# Altium PCB PCB1.PcbDoc (part 2 of 2)
Units mil, origin at the board's own origin, x right, y up, seen from the top; angles counter-clockwise.
Board outline 4330.71 x 4330.71 mil, 3 copper layers (Top Layer, Mid-Layer 3, Bottom Layer); 149 components, 127 nets, 537 pads, 276 vias.
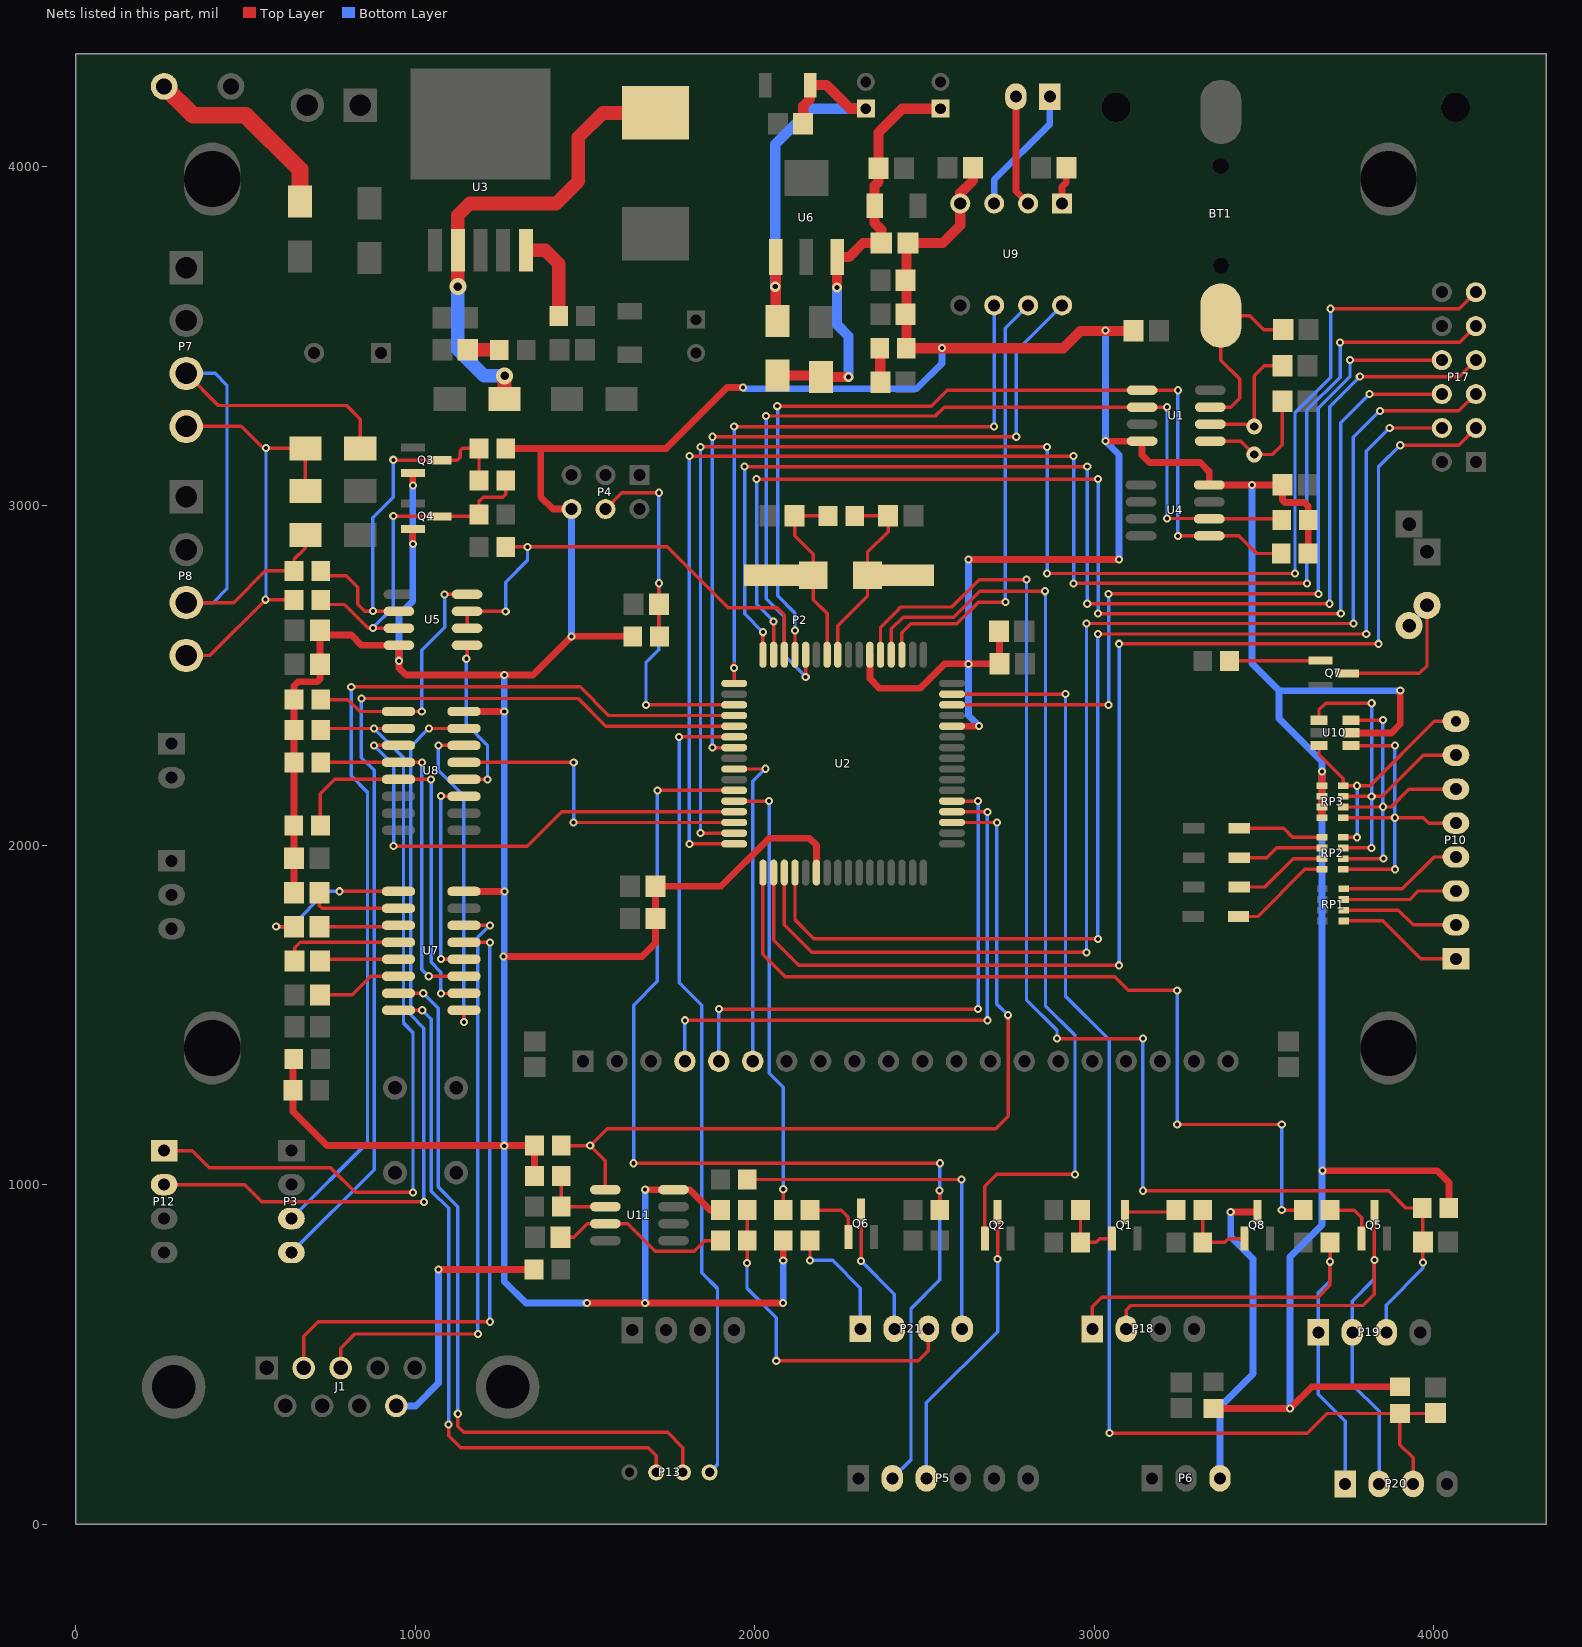
[diagram p3: the nets of this part, all layers, seen from the top]

## Via types
v1: diameter 24, hole 12, Top Layer to Bottom Layer, 262 vias
v2: diameter 50, hole 25, Top Layer to Bottom Layer, 11 vias
v3: diameter 30, hole 15, Top Layer to Bottom Layer, 3 vias

## Nets (pads, with @x,y where several pads share a name; then routed paths per layer and width w, separated by ;. In a path a pad name is that pad's centre, name@x,y a point inside that pad or via, vN(x,y) a via of type N, cw(c..) or ccw(c..) an arc to the next point about the centre after c; other vN are vias at no path point) (continued)
KEY2: C40.2 P19.3 R33.1 U2.53 | length 3914.6
  Top Layer w10: U2.53@2370.24,2560.87 2370.24,2642.24 2416,2688 2416.28,2688 2429.71,2701.43 2580.43,2701.43 2661,2782 v1(2800,2782) ; v1(2890,1430) v1(3143,1430) ; v1(3143,982) 3867,982 3918,931 R33.1@3965.63,931 3967.6,929.03 C40.2@3967.6,831 v1@3967.6,771
  Bottom Layer w10: v1(2800,2782) 2800,1545 2890,1455 v1(2890,1430) ; v1(3143,982) v1(3143,1430) ; P19.3@3860,565 3860,645 3968,753 v1(3968,771)
KEY3: C41.2 P20.3 R36.1 U2.47 | length 3770
  Top Layer w10: U2.47@2580.87,2444.72 v1(2915,2444.72) ; v1(3045,268) 3627,268 3684.63,325.63 R36.1@3900,325.63 ; P20.3@3938.85,118.37 3938.85,195.15 3900,234 R36.1@3900,325.63 ; C41.2@4003.03,325.63 R36.1@3900,325.63
  Bottom Layer w10: v1(2915,2444.72) 2915,1555 3043.5,1426.5 3043.5,269.5 v1(3045,268)
LCD_E: P2.6 U2.9 | length 969.2
  Top Layer w10: U2.9@1939.13,2224.25 2030.25,2224.25 v1(2031,2225)
  Bottom Layer w10: P2.6@1993.82,1363.43 1993.82,2187.82 v1(2031,2225)
LCD_RS: P2.4 U2.36 | length 1729.9
  Top Layer w10: v1(1794,1484) v1(2685,1484) ; U2.36@2580.87,2098.27 2684.73,2098.27 v1(2685,2098)
  Bottom Layer w10: P2.4@1793.82,1363.43 1794,1363.61 v1(1794,1484) ; v1(2685,1484) v1(2685,2098)
LCD_RW: P2.5 U2.37 | length 1607.1
  Top Layer w10: v1(1894,1517) v1(2657.76,1517) ; U2.37@2580.87,2129.76 v1(2657.76,2129.76)
  Bottom Layer w10: P2.5@1893.82,1363.43 1894,1363.61 v1(1894,1517) ; v1(2657.76,1517) v1(2657.76,2129.76)
LED: R21.1 U2.17 | length 2523.8
  Top Layer w10: U2.17@2023.78,1919.13 2023.78,1678.22 2090,1612 3060,1612 3100,1572 v1(3244,1572) ; v1(3244,1177) v1(3552,1177) ; v1(3552,925) R21.1@3615.63,925
  Bottom Layer w10: v1(3244,1177) v1(3244,1572) ; v1(3552,925) v1(3552,1177)
LED+: P18.1 P19.1 P20.1 R25.1 | length 1619.5
  Top Layer w10: P18.1@2994,575 2994,640 3022,668 3659,668 3694,703 v1(3694,773) ; v1@3694.37,773 R25.1@3694.37,830
  Bottom Layer w10: v1(3694,773) 3694,716 3660,682 P19.1@3660,565 3660,382 3738.85,303.15 P20.1@3738.85,118.37
LED-: P18.2 P19.2 P20.2 Q5.3 | length 1767.1
  Top Layer w10: P18.2@3094,575 3094,630 3108,644 3792,644 3825,677 v1(3825,778) Q5.3@3825,919.37
  Bottom Layer w10: v1(3825,778) 3825,722 3760,657 P19.2@3760,565 3760,411 3838.85,332.15 P20.2@3838.85,118.37
NetBT1_1: BT1.1 C4.2 U1.3 | length 564.5
  Top Layer w10: U1.3@3341.39,3290 3402,3290 3428,3316 3428,3373 3372.85,3428.15 BT1.1@3372.85,3559.7 3458.3,3559.7 3499.3,3518.7 C4.2@3556.45,3518.7
NetC3_1: C3.1 U1.2 Y1.1 | length 376.1
  Top Layer w10: U1.2@3341.39,3240 3464.34,3240 Y1.1@3471,3233.34 3471,3382 3501,3412 C3.1@3553.6,3412
NetC5_1: C5.1 U1.1 Y1.2 | length 368.9
  Top Layer w10: U1.1@3341.39,3190 3431.66,3190 Y1.2@3471,3150.66 3524.66,3150.66 3553.6,3179.6 C5.1@3553.6,3308
NetC13_2: C13.2 Designator14.2 R3.1 U2.57 Y2.1 | length 568.8
  Top Layer w10: U2.57@2244.25,2560.87 2244.25,2646.25 2331.72,2733.72 Y2.1@2331.72,2795 2331.72,2862.72 2392.6,2923.6 C13.2@2392.6,2970 R3.1@2294.37,2970
NetC16_2: C16.2 Designator14.1 R3.2 U2.58 Y2.2 | length 546.9
  Top Layer w10: U2.58@2212.76,2560.87 2212.76,2682.24 2172.28,2722.72 Y2.2@2172.28,2795 2172.28,2856.72 2117.4,2911.6 C16.2@2117.4,2970 R3.2@2215.63,2970
NetC19_1: C19.1 U7.5 | length 233.2
  Top Layer w10: C19.1@719.25,1658.7 724.25,1663.7 U7.5@950.39,1663.7
NetC19_2: C19.2 U7.4 | length 351.4
  Top Layer w10: C19.2@644.45,1658.7 644.45,1697.45 660.5,1713.5 950.2,1713.5 U7.4@950.39,1713.7
NetC20_1: C20.1 C22.2 D8.2 F2.2 U6.1 | length 1240.5
  Top Layer w30: D8.2@2061.3,3549.96 U6.1@2061.3,3732.56 ; C22.2@2142.4,4125 2142.4,4177.4 2162.8,4197.8 F2.2@2162.8,4238.7 2211.3,4238.7 2280.67,4169.33 C20.1@2326.85,4169.33
  Top Layer w50: D8.2@2061.3,3549.96 D8.2@2066.85,3544.41 ; C22.2@2142.4,4120 C22.2@2142.4,4125
  Bottom Layer w30: v3(2060,3645) 2060,4065 2164.33,4169.33 C20.1@2326.85,4169.33
NetC21_1: C21.1 U7.3 | length 234.5
  Top Layer w10: C21.1@717.4,1760 946.69,1760 U7.3@950.39,1763.7
NetC21_2: C21.2 U7.1 | length 456.2
  Top Layer w10: v1(590,1760) C21.2@642.6,1760 ; v1(777,1864) 791,1864 791.3,1863.7 U7.1@950.39,1863.7
  Bottom Layer w10: v1(590,1760) 634,1760 738,1864 v1(777,1864)
NetC23_2: C23.2 U7.6 | length 253.9
  Top Layer w10: C23.2@719.25,1558.7 813.7,1558.7 868.7,1613.7 U7.6@950.39,1613.7
NetC26_1: C26.1 U7.2 | length 274.4
  Top Layer w10: C26.1@717.4,1860 717.4,1822.09 725.8,1813.7 U7.2@950.39,1813.7
NetC34_1: C34.1 U9.1 | length 110.1
  Top Layer w20: U9.1@2905,3890 2905,3940 2917.4,3952.4 C34.1@2917.4,3995
NetC38_2: C38.2 R28.2 U11.3 | length 534.2
  Top Layer w10: C38.2@1427.4,845 1466,845 1506,885 U11.3@1559.61,885 1626,885 1707,804 1821,804 1852,835 R28.2@1898.63,835
NetD1_2: D1.2 F1.1 | length 595.8
  Top Layer w50: F1.1@260,4235 345,4150 500,4150 660,3990 D1.2@660,3895.71
NetD3_2: D3.2 L1.1 U3.2 | length 1416.5
  Top Layer w40: v2(1124.92,3645.08) U3.2@1124.92,3752.48 1124.92,3854.92 1160,3890 1415,3890 1480,3955 1480,4085 1551.7,4156.7 L1.1@1706.85,4156.7 ; D3.2@1262.56,3313.7 v2(1262.56,3382.56)
  Bottom Layer w40: v2(1124.92,3645.08) 1124.92,3460.08 1202.44,3382.56 v2(1262.56,3382.56)
NetD6_1: D6.1 R4.1 | length 93.2
  Top Layer w40: D6.1@1154.25,3458.7 R4.1@1247.48,3458.7
NetD7_1: D7.1 R9.1 | length 100.8
  Top Layer w30: R9.1@2367.48,3463.7 2369.45,3461.73 D7.1@2369.45,3363.7
NetD10_2: D10.2 D11.1 P7.3 P8.3 PR1.2 | length 2001.7
  Top Layer w10: P8.3@325,2714.49 464.49,2714.49 557.7,2807.7 PR1.2@642.48,2807.7 642.48,2841.48 676.14,2875.14 D10.2@676.14,2913.7 ; P7.3@325,3389.49 419.49,3295 797.56,3295 837.56,3255 D11.1@837.56,3168.7
  Bottom Layer w10: P8.3@325,2714.49 404.49,2714.49 445,2755 445,3355 410.51,3389.49 P7.3@325,3389.49
NetD11_2: D11.2 D12.2 P7.4 P8.4 PR2.2 | length 1335.9
  Top Layer w10: P8.4@325,2558.58 394.58,2558.58 558.7,2722.7 PR2.2@642.48,2722.7 ; P7.4@325,3233.58 486.42,3233.58 551.3,3168.7 D11.2@676.14,3168.7 D12.2@676.14,3043.7
  Bottom Layer w10: v1(559,2723) 560,2724 v1(560,3170)
NetD14_2: D14.2 RP2.7 | length 278.3
  Top Layer w10: D14.2@3426.78,1876.7 3501.7,1876.7 3585.25,1960.25 RP2.7@3670.5,1960.25
NetD15_2: D15.2 RP2.5 | length 254.7
  Top Layer w10: D15.2@3426.78,2049.7 3557.3,2049.7 3583.76,2023.24 RP2.5@3670.5,2023.24
NetD16_2: D16.2 RP2.8 | length 303.3
  Top Layer w10: D16.2@3424.78,1789.7 3480.7,1789.7 3619.76,1928.76 RP2.8@3670.5,1928.76
NetD17_2: D17.2 RP2.6 | length 255.8
  Top Layer w10: D17.2@3426.78,1962.7 3507.7,1962.7 3536.75,1991.75 RP2.6@3670.5,1991.75
NetJ1_9: J1.9 R20.1 | length 768.8
  Top Layer w20: v1(1068,750) R20.1@1349.63,750
  Bottom Layer w20: J1.9@943.58,348.11 1001.11,348.11 1068,415 v1(1068,750)
NetLS1_2: Designator15.2 LS1.2 Q7.3 | length 504.2
  Top Layer w10: Q7.3@3744.37,2506 3957,2506 3980,2529 LS1.2@3980,2706.26
  Bottom Layer w10: Designator15.2@3927,2646.39 3980,2699.39 LS1.2@3980,2706.26
NetP5_3: P5.3 Q2.3 | length 871.4
  Top Layer w10: v1(2715,781) Q2.3@2715,919.37
  Bottom Layer w10: P5.3@2505,135 2505,357 2715,567 v1(2715,781)
NetP6_3: P6.3 Q8.3 | length 930.4
  Top Layer w20: v1(3401.63,919.37) Q8.3@3480,919.37
  Bottom Layer w20: P6.3@3370,135 3370,345 3467.5,442.5 3467.5,781.5 3401.63,847.37 v1(3401.63,919.37)
NetP9_1: P9.1 U9.3 | length 382.6
  Bottom Layer w20: U9.3@2705,3890 2705,3960 2868.85,4123.85 P9.1@2868.85,4204.7
NetP9_2: P9.2 U9.2 | length 329.7
  Top Layer w20: P9.2@2768.85,4204.7 2768.85,3926.15 U9.2@2805,3890
NetP10_1: P10.1 RP1.1 | length 379
  Top Layer w10: RP1.1@3734.5,1776.76 3849.24,1776.76 3961,1665 P10.1@4065,1665 P10.1@4063.46,1663.46
NetP10_2: P10.2 RP1.2 | length 348.4
  Top Layer w10: RP1.2@3734.5,1808.25 3895.75,1808.25 3939,1765 P10.2@4065,1765
NetP10_3: P10.3 RP1.3 | length 341
  Top Layer w10: RP1.3@3734.5,1839.75 3928.75,1839.75 3954,1865 P10.3@4065,1865
NetP10_4: P10.4 RP1.4 | length 369.3
  Top Layer w10: RP1.4@3734.5,1871.24 3907.24,1871.24 4001,1965 P10.4@4065,1965
NetP10_5: P10.5 RP2.1 RP3.1 U10.4 | length 984
  Top Layer w10: RP2.1@3733.5,1928.76 v1(3885.76,1928.76) ; RP3.1@3733.5,2080.76 3969.24,2080.76 3985,2065 P10.5@4065,2065 ; U10.4@3756.09,2293.3 v1(3885.3,2293.3)
  Bottom Layer w10: v1@3885.3,1928.76 v1(3885.3,2293.3)
  other v1: 3885,2080.76
NetP10_6: P10.6 RP2.2 RP3.2 U10.6 | length 973.9
  Top Layer w10: RP2.2@3733.5,1960.25 v1(3851.25,1960.25) ; RP3.2@3733.5,2112.25 3874,2112.25 3926.75,2165 P10.6@4065,2165 ; U10.6@3756.09,2368.1 v1(3849.9,2368.1)
  Bottom Layer w10: v1@3849.9,1959.1 v1(3849.9,2368.1)
  other v1: 3850,2113
NetP10_7: P10.7 RP2.3 RP3.3 U10.1 | length 1085.2
  Top Layer w10: U10.1@3661.61,2368.1 3661.61,2398.61 3681,2418 v1(3817,2418) ; RP2.3@3733.5,1991.75 v1(3816.75,1991.75) ; RP3.3@3733.5,2143.75 3848,2143.75 3969.25,2265 P10.7@4065,2265
  Bottom Layer w10: v1@3817,1991.75 v1(3817,2418)
  other v1: 3817,2143
NetP10_8: P10.8 RP2.4 RP3.4 U10.3 | length 750.2
  Top Layer w10: U10.3@3661.61,2293.3 3661.61,2267.39 3733.5,2195.5 RP3.4@3733.5,2175.24 3812,2175.24 4001.76,2365 P10.8@4065,2365 ; RP2.4@3733.5,2023.24 v1@3773.76,2023.24
  Bottom Layer w10: v1(3774,2023) v1(3774,2175)
NetPTC1_1: PR1.1 Q3.3 R13.1 R14.2 U5.6 | length 1146
  Top Layer w10: PR1.1@721.22,2793.7 796.3,2793.7 830,2760 830,2710 851.3,2688.7 U5.6@951.46,2688.7 ; v1@935,3133.7 Q3.3@1071.22,3133.7 1122.7,3133.7 1132,3143 1132,3162 1138.7,3168.7 R13.1@1187.48,3168.7 R14.2@1187.48,3073.7
  Bottom Layer w10: v1(875,2690) 875,2965 935,3025 v1(935,3135)
NetPTC2_1: PR2.1 Q4.3 R14.1 R15.2 U5.7 | length 1035.2
  Top Layer w10: PR2.1@721.22,2708.7 791.3,2708.7 861.3,2638.7 U5.7@951.46,2638.7 ; v1(935,2970) 936.3,2968.7 Q4.3@1071.22,2968.7 1182.48,2968.7 R15.2@1187.48,2973.7 1187.48,3012.48 1200,3025 1257,3025 1266.22,3034.22 R14.1@1266.22,3073.7
  Bottom Layer w10: v1(875,2640) 935,2700 v1(935,2970)
NetQ1_1: Q1.1 R7.2 R10.2 | length 192.6
  Top Layer w10: R7.2@2959.37,925 R10.2@2959.37,830 3005,830 3015.63,840.63 Q1.1@3052.6,840.63
NetQ1_3: Q1.3 R38.1 | length 153
  Top Layer w10: Q1.3@3090,919.37 3235,919.37 R38.1@3240.63,925
NetQ5_1: Q5.1 R21.2 | length 164.4
  Top Layer w10: R21.2@3694.37,925 3765,925 3787.6,902.4 Q5.1@3787.6,840.63
NetQ6_1: Q6.1 R24.2 | length 179.9
  Top Layer w10: R24.2@2162.37,925 2254,925 2275.6,903.4 Q6.1@2275.6,845.63
NetQ7_1: Q7.1 R35.2 | length 267.4
  Top Layer w10: R35.2@3398.37,2543 3665.23,2543 Q7.1@3665.63,2543.4
NetQ8_1: Q8.1 R12.1 R38.2 | length 222.6
  Top Layer w10: R38.2@3319.37,925 R12.1@3319.37,830 3384,830 3394.63,840.63 Q8.1@3442.6,840.63
NetR2_2: R2.2 U3.5 | length 267.1
  Top Layer w40: U3.5@1325.71,3752.48 1382.52,3752.48 1422.48,3712.52 R2.2@1422.48,3558.7
NetR30_1: R30.1 R31.2 U11.2 | length 220.2
  Top Layer w10: R30.1@1429.37,1025 R31.2@1429.37,935 U11.2@1559.61,935
PAPER: R34.1 U2.35 U11.1 | length 2512
  Top Layer w10: R34.1@1429.37,1115 v1(1515,1115) ; U11.1@1559.61,985 1559.61,1070.39 v1(1515,1115) ; U2.35@2580.87,2066.77 2707.77,2066.77 2708,2067 v1(2713,2067) ; v1(2746,1499) 2746,1202 2709,1165 1565,1165 v1(1515,1115)
  Bottom Layer w10: v1(2713,2067) 2713,1532 v1(2746,1499)
PAPER_EN: R24.1 U2.12 | length 1325.2
  Top Layer w10: U2.12@1939.13,2129.76 2033.76,2129.76 2034,2130 v1(2042,2130) ; R24.1@2083.63,925 v1(2083.63,986.37)
  Bottom Layer w10: v1(2042,2130) 2042,1328 2083.63,1286.37 v1(2083.63,986.37)
PAPER_LED_IN+: P21.3 R27.1 R28.1 | length 1004
  Top Layer w10: v1@1977.37,769.37 R28.1@1977.37,835 R27.1@1977.37,925 ; v1(2063,481) 2481,481 2510.85,510.85 P21.3@2510.85,575.37
  Bottom Layer w10: v1(1977,769) 1977,694 2063,608 v1(2063,481)
PAPER_LED_IN-: P21.4 R29.1 | length 1072
  Top Layer w10: R29.1@1977.37,1015 v1(2609,1015)
  Bottom Layer w10: v1(2609,1015) 2609,577.22 P21.4@2610.85,575.37
PAPER_LED_OUT+: P21.1 R26.1 | length 360.4
  Top Layer w10: v1(2162.37,776.63) R26.1@2162.37,835
  Bottom Layer w10: v1(2162.37,776.63) 2229.37,776.63 2310.85,695.15 P21.1@2310.85,575.37
PAPER_LED_OUT-: P21.2 Q6.3 | length 389.5
  Top Layer w10: v1(2313,775) Q6.3@2313,924.37
  Bottom Layer w10: v1(2313,775) 2410.85,677.15 P21.2@2410.85,575.37
PRINTER_BUSY: P13.1 U2.6 | length 2384.9
  Top Layer w10: v1(1777,2318.74) U2.6@1939.13,2318.74
  Bottom Layer w10: v1(1777,2318.74) 1777,1595 1844,1528 1844,740 1890,694 1890,175.52 P13.1@1866.85,152.37
RESET: C2.2 P4.4 R1.1 U2.3 | length 1232.2
  Top Layer w10: P4.4@1560,2990 1608,3038 v1(1717.4,3038) ; v1(1679.23,2413.23) U2.3@1939.13,2413.23 ; R1.1@1717.4,2616.97 C2.2@1717.4,2710 v1(1717.4,2771.4)
  Bottom Layer w10: v1(1679.23,2413.23) 1679.23,2537.23 1717.4,2575.4 v1(1717.4,2771.4) v1(1717.4,3038)
RMB: P5.2 R11.1 U2.11 | length 3298.7
  Top Layer w10: v1(1643,1063) v1(2545,1063) ; v1(1713,2161.26) U2.11@1939.13,2161.26 ; R11.1@2544.37,925 v1(2544.37,982.63)
  Bottom Layer w10: v1(1643,1063) 1643,1529 1713,1599 v1(1713,2161.26) ; P5.2@2405,135 2460,190 2460,635 2544.37,719.37 v1(2544.37,982.63) v1@2544.37,1063
RMB_EN: Q2.1 U2.52 | length 2764.3
  Top Layer w10: U2.52@2401.73,2560.87 2401.73,2636.73 2436.64,2671.64 2586.07,2671.64 2662.43,2748 v1(2855,2748) v1@2856,2748 ; Q2.1@2677.6,840.63 2677.6,994.6 2713,1030 v1(2943,1030)
  Bottom Layer w10: v1@2856,2748 2856,1527 2943,1440 v1(2943,1030)
RS485: R37.2 U2.62 U5.2 U5.3 | length 1401.3
  Top Layer w10: U5.2@1152.24,2638.7 U5.3@1152.24,2688.7 v1(1266,2688.7) ; R37.2@1266.22,2878.7 v1(1330.3,2878.7) 1742,2878.7 1921.7,2699 2066,2699 2086.77,2678.23 U2.62@2086.77,2560.87
  Bottom Layer w10: v1(1266,2688.7) 1266,2775 1330.3,2839.3 v1(1330.3,2878.7)
RST: P17.8 U2.46 | length 2404.3
  Top Layer w10: U2.46@2580.87,2413.23 v1(3042,2413.23) ; v1(3042,2740) v1(3660,2740) ; v1(3753,3429) 3753.3,3428.7 P17.8@4023.7,3428.7
  Bottom Layer w10: v1(3042,2413.23) v1(3042,2740) ; v1(3660,2740) 3660,3286.28 3753,3379.28 v1(3753,3429)
RX1: J1.2 U7.13 | length 1852.6
  Top Layer w10: J1.2@670.94,459.92 670.94,552.95 714,596 v1@1219,596 ; U7.13@1143.31,1713.7 v1(1219.3,1713.7)
  Bottom Layer w10: v1(1219.3,596) v1(1219.3,1713.7)
RX2: P13.3 U7.8 | length 2041.6
  Top Layer w10: U7.8@950.39,1513.7 v1(1020.3,1513.7) ; v1(1098,293) 1098,260 1133,225 1686,225 1709.37,201.63 P13.3@1709.37,152.37
  Bottom Layer w10: v1(1020.3,1513.7) 1047,1487 1047,981 1098,930 v1@1098,292
RXD1: U2.14 U8.13 | length 973.2
  Top Layer w10: U8.13@1143.31,2243.7 v1(1466.3,2243.7) ; v1(1466,2066.77) U2.14@1939.13,2066.77
  Bottom Layer w10: v1(1466,2066.77) 1466.3,2067.07 v1(1466.3,2243.7)
RXD2: P17.7 U2.64 | length 3771.1
  Top Layer w10: v1(1970,3115) v1(2979,3115) ; U2.64@2023.78,2560.87 v1(2023.78,2627.22) ; v1(2979,2711) v1(3693,2711) ; v1(3782,3380) 4075,3380 P17.7@4123.7,3428.7
  Bottom Layer w10: v1(1970,3115) 1970,2681 v1(2023.78,2627.22) ; v1(2979,2711) v1(2979,3115) ; v1(3693,2711) 3693,3291 v1(3782,3380)
SCL: R5.1 U1.6 U2.60 U4.6 | length 2736.1
  Top Layer w10: v1(2033,3264) 2532,3264 2558,3290 U1.6@3140.61,3290 v1(3214,3290) ; v1(2149.76,2495.76) U2.60@2149.76,2560.87 ; v1(3214,2962) U4.6@3337.39,2962 ; U4.6@3338.39,2961 R5.1@3548.63,2961
  Bottom Layer w10: v1@2033,3265 2033,2726 2086,2673 2086,2559.53 v1(2149.76,2495.76) ; v1(3214,2962) v1(3214,3290)
SDA: R6.1 U1.5 U2.61 U4.5 | length 2708.4
  Top Layer w10: v1(2066,3293) 2520,3293 2567,3340 U1.5@3140.61,3340 v1(3246,3340) ; U2.61@2118.27,2560.87 v1(2118.27,2632.27) ; v1(3246,2911) U4.5@3338.39,2911 3426,2911 3478,2859 R6.1@3550.63,2859
  Bottom Layer w10: v1(2066,3293) 2067,3292 2067,2734 2118.27,2682.73 v1(2118.27,2632.27) ; v1(3246,2911) v1(3246,3340)
SPI_MISO: P17.3 U2.18 | length 3813.9
  Top Layer w10: U2.18@2055.28,1919.13 2055.28,1719.72 2129,1646 v1(3073,1646) ; v1(3073,2593) v1(3837,2593) ; v1(3901,3178) 4073,3178 P17.3@4123.7,3228.7
  Bottom Layer w10: v1(3073,1646) v1(3073,2593) ; v1(3837,2593) 3837,3114 v1(3901,3178)
SPI_MOSI: P17.5 U2.19 | length 3794.4
  Top Layer w10: U2.19@2086.77,1919.13 2086.77,1765.23 2168,1684 v1(2977,1684) ; v1(2977,2653) v1(3763,2653) ; v1(3841,3279) 4074,3279 P17.5@4123.7,3328.7
  Bottom Layer w10: v1(2977,1684) v1(2977,2653) ; v1(3763,2653) 3763,3201 v1(3841,3279)
SPI_SPSCK: P17.4 U2.20 | length 3529.5
  Top Layer w10: U2.20@2118.27,1919.13 2118.27,1779.73 2174,1724 v1(3010.59,1724) ; v1(3010.59,2622) v1(3801,2622) ; v1@3873,3228.7 P17.4@4023.7,3228.7
  Bottom Layer w10: v1(3010.59,1724) v1(3010.59,2622) ; v1(3801,2622) 3801,3160 v1(3870,3229)
SRADD: P17.9 U2.16 | length 4638.4
  Top Layer w10: v1(1807,2003.78) U2.16@1939.13,2003.78 ; v1(1807,3146) v1(2939,3146) ; v1(2939,2771) v1(3626,2771) ; v1(3724,3481) 4076,3481 P17.9@4123.7,3528.7
  Bottom Layer w10: v1(1807,2003.78) v1(1807,3146) ; v1(2939,2771) v1(2939,3146) ; v1(3626,2771) 3626,3280.57 3724,3378.57 v1(3724,3481)
STADD: P17.11 U2.15 | length 4633.2
  Top Layer w10: v1(1840,2035.28) U2.15@1939.13,2035.28 ; v1(1840,3173) v1(2861,3173) ; v1@2860,2800 v1(2861,2800) v1(3591,2800) ; v1(3696,3580) 4075,3580 P17.11@4123.7,3628.7
  Bottom Layer w10: v1(1840,2035.28) v1(1840,3173) ; v1(2861,2800) v1(2861,3173) ; v1(3591,2800) 3591,3273.85 3696,3378.85 v1(3696,3580)
TX1: J1.3 U7.14 | length 1774.4
  Top Layer w10: J1.3@780,459.92 780,518 822,560 v1(1184,560) ; U7.14@1143.31,1763.7 v1(1219.7,1763.7)
  Bottom Layer w10: v1(1184,560) 1184,1728 v1(1219.7,1763.7)
TX2: P13.2 U7.7 | length 2153.5
  Top Layer w10: U7.7@950.39,1563.7 v1(1023.3,1563.7) ; v1(1125,325) 1125,288 1143,270 1743,270 1788.11,224.89 P13.2@1788.11,152.37
  Bottom Layer w10: v1(1023.3,1563.7) 1067,1520 1067,993 1125,935 v1@1125,324
TXD1: U2.13 U8.3 | length 1438.2
  Top Layer w10: v1(878,2293.7) U8.3@950.39,2293.7 ; v1(936,1997) 1330,1997 1431.27,2098.27 U2.13@1939.13,2098.27
  Bottom Layer w10: v1(878,2293.7) 936,2235.7 v1(936,1997)
TXD2: P17.6 U2.63 | length 3549.9
  Top Layer w10: v1(2005,3078) v1(3011,3078) ; U2.63@2055.28,2560.87 v1(2055.28,2659) ; v1(3011,2682) v1(3726,2682) ; v1@3811,3328.7 P17.6@4023.7,3328.7
  Bottom Layer w10: v1(2005,3078) 2005,2709.28 v1(2055.28,2659) ; v1(3011,2682) v1(3011,3078) ; v1(3726,2682) 3726,3244 v1(3811,3329)
VCC: C9.1 C10.1 C14.2 C15.2 C17.2 C18.2 C24.1 C26.2 C30.2 C33.2 C35.1 C36.2 C42.1 L2.2 P4.6 Q3.2 Q4.2 R1.2 R5.2 R6.2 R9.2 R13.2 R16.2 R17.2 R18.2 R19.2 R22.2 R23.2 R26.2 R27.2 R30.2 R32.2 R33.2 R34.2 R36.2 RP3.5 RP3.6 RP3.7 RP3.8 U1.8 U2.22 U2.44 U2.54 U4.8 U5.8 U7.16 U8.16 U9.4 U10.5 U11.8 | length 19636
  Top Layer w20: R23.2@639.63,1368 R22.2@639.63,1278 639.63,1215.37 740,1115 R34.2@1350.63,1115 R30.2@1350.63,1025 ; C26.2@642.48,1860.12 R16.2@642.48,2243.7 R17.2@642.48,2338.7 R19.2@642.48,2428.7 642.48,2469.48 654,2481 711,2481 719.25,2489.25 C35.1@719.25,2532.7 C24.1@719.25,2618.7 ; C24.1@719.25,2632.7 C24.1@719.25,2618.7 ; v1(992.48,2887) Q4.2@992.48,2931.3 ; v1(992.48,3059.48) Q3.2@992.48,3096.3 ; U7.16@1143.31,1863.7 v1(1262.7,1863.7) ; U8.16@1143.31,2393.7 v1(1261.7,2393.7) ; v1(1260,1672) 1668,1672 1707.4,1711.4 C15.2@1707.4,1784 C14.2@1707.4,1879 1901,1879 2042,2020 2161,2020 2181.26,1999.74 U2.22@2181.26,1919.13 ; R13.2@1266.22,3168.7 1738.7,3168.7 1918,3348 v1(1965,3348) ; 1369,3165.7 1369,3026 1405,2990 P4.6@1460,2990 ; v1(1505,651) v1(2083,651) ; R1.2@1640.63,2615 v1(1460,2615) 1346,2501 v1(1262,2501) 973,2501 952,2522 v1(952,2543) 952,2588.16 U5.8@951.46,2588.7 841.3,2588.7 811.3,2618.7 C24.1@719.25,2618.7 ; v1(1677,985) U11.8@1760.39,985 1808,985 1868,925 R27.2@1898.63,925 ; v1(2083.63,776.63) R26.2@2083.63,835 ; U2.54@2338.74,2560.87 2338.74,2490.26 2367,2462 2486,2462 2558,2534 C17.2@2720.6,2534 C18.2@2720.6,2628.45 ; U2.44@2580.87,2350.24 2659.24,2350.24 v1(2660,2351) ; v1(2629,2841) v1(3073,2841) ; v1(3033,3190) U1.8@3140.61,3190 3140.61,3149.39 3163,3127 3312,3127 3338.39,3100.61 U4.8@3338.39,3061 v1(3464,3061) C10.1@3554.6,3061 3554.6,3016.93 3562.02,3009.5 3618.5,3009.5 3630.37,2997.63 R5.2@3630.37,2958 3630.37,2860 R6.2@3629.37,2859 ; R32.2@3351,340.63 3576.63,340.63 3640.37,404.37 R36.2@3900,404.37 ; RP3.8@3670.5,2080.76 RP3.7@3670.5,2112.25 RP3.6@3670.5,2143.75 RP3.5@3670.5,2175.24 v1(3670.5,2216.5) ; v1(3672,1041) 4009,1041 4044.37,1005.63 R33.2@4044.37,931 ; U10.5@3756.09,2330.7 3875.7,2330.7 3901,2356 v1(3901,2455)
  Top Layer w30: C36.2@2642.4,3995 2642.4,3957.4 2605,3920 U9.4@2605,3890 2605,3825 2553.7,3773.7 L2.2@2451.22,3773.7 2446.22,3768.7 R9.2@2446.22,3463.7 2908.7,3463.7 2959.7,3514.7 C9.1@3115.45,3514.7
  Bottom Layer w20: v1(952,2543) 952,2678 992.48,2718.48 v1(992.48,2887) v1(992.48,3059.48) ; v1(1261.7,2393.7) v1(1261.7,1114.3) 1261.7,715.3 1326,651 v1(1505,651) ; v1@1262,2394 v1(1262,2501) ; v1(1460,2615) P4.6@1460,2990 ; v1(1677,651) v1(1677,985) ; v1(1965,3348) 1968.71,3344.29 2476.29,3344.29 2551,3419 v1(2551,3464) ; v1(2083,651) 2083.63,651.63 v1(2083.63,776.63) ; v1(2629,2841) 2629,2382 v1(2660,2351) ; v1(3033,3516) v1(3033,3190) 3073,3150 v1(3073,2841) ; v1(3464,3061) 3464,2535 3544,2455 ; v1(3576,341) 3576,787 3670.5,881.5 v1(3670.5,2216.5) 3670.5,2246.5 3544,2373 3544,2455 ; v1(3901,2455) 3544,2455
  other v1: 2629,2534
VDD: C25.1 C27.1 D8.1 D9.2 D13.2 L2.1 U6.3 | length 1276.4
  Top Layer w30: D8.1@2066.85,3382.99 2186.85,3382.99 D9.2@2195,3374.84 ; D9.2@2195,3379.29 v3(2275.71,3379.29) ; v3(2242.4,3642.4) U6.3@2242.4,3732.56 2277.56,3732.56 2318.7,3773.7 L2.1@2372.48,3773.7 2372.48,3812.52 2352.87,3832.13 D13.2@2352.87,3883.7 2352.87,3942.87 2364.45,3954.45 C25.1@2364.45,3993.7 2364.45,4099.45 2434.33,4169.33 C27.1@2546.85,4169.33
  Bottom Layer w30: v3(2242.4,3642.4) 2242.4,3532.6 2275.71,3499.29 v3(2275.71,3379.29)
VOICE_BUSY: U2.7 U9.8 | length 2317.8
  Top Layer w10: v1(1875,2287.24) U2.7@1939.13,2287.24 ; v1(1875,3203) v1(2770,3203)
  Bottom Layer w10: v1(1875,2287.24) v1(1875,3203) ; v1(2770,3203) 2770,3455 U9.8@2905,3590
VOICE_CS: U2.1 U9.6 | length 1910.2
  Top Layer w10: v1(1939,2522) 1939,2534.73 1932.77,2528.5 1939.13,2522.13 U2.1@1939.13,2476.22 ; v1(1939.13,3232.87) v1(2704.87,3232.87)
  Bottom Layer w10: v1(1939,2522) 1939.13,2522.13 v1(1939.13,3232.87) ; v1@2705,3232.87 U9.6@2705,3590
VOICE_DI: U2.51 U9.7 | length 1309.1
  Top Layer w10: U2.51@2433.23,2560.87 2433.23,2626.23 2458.64,2651.64 2594.36,2651.64 2658.72,2716 v1(2738,2716)
  Bottom Layer w10: v1(2738,2716) 2738,3523 U9.7@2805,3590
WG_D0: P3.3 U2.4 | length 2841.7
  Top Layer w10: v1(811,2466) 1485,2466 1569.27,2381.73 U2.4@1939.13,2381.73
  Bottom Layer w10: P3.3@635,900 859,1124 859,2156 811,2204 v1(811,2466)
WG_D1: P3.4 U2.5 | length 2880.8
  Top Layer w10: v1(841,2432) 1479,2432 1560.76,2350.24 U2.5@1939.13,2350.24
  Bottom Layer w10: P3.4@635,800 879,1044 879,2220 841,2258 v1(841,2432)
X0: U5.1 U8.12 | length 487.6
  Top Layer w10: U8.12@1143.31,2193.7 v1(1212.3,2193.7) ; v1@1152.24,2551.24 U5.1@1152.24,2588.7
  Bottom Layer w10: v1(1150,2549) 1150,2357 1212.3,2294.7 v1(1212.3,2193.7)
X1: U7.9 U8.14 | length 955.9
  Top Layer w10: v1(1067.7,2293.7) U8.14@1143.31,2293.7 ; v1(1143,1479) U7.9@1143,1513.39
  Bottom Layer w10: v1(1067.7,2293.7) 1067.7,2220.3 1143,2145 v1(1143,1479)
X2: P12.2 U8.15 | length 2323.8
  Top Layer w10: P12.2@260,1000 497,1000 548,949 v1(1025,949) ; v1(1039.7,2343.7) U8.15@1143.31,2343.7
  Bottom Layer w10: v1@1025,948 1025,1461 986,1500 986,2290 v1(1039.7,2343.7)
X3: U7.12 U8.11 | length 615.9
  Top Layer w10: v1(1075,2145) 1076.3,2143.7 U8.11@1143.31,2143.7 ; v1@1076.3,1663.7 U7.12@1143.31,1663.7
  Bottom Layer w10: v1(1075,1665) v1(1075,2145)
Y0: R19.1 U5.4 U8.1 | length 750.9
  Top Layer w10: R19.1@721.22,2428.7 801.3,2428.7 836.3,2393.7 U8.1@950.39,2393.7 v1(1018.7,2393.7) ; v1(1086.3,2738.7) U5.4@1152.24,2738.7
  Bottom Layer w10: v1(1018.7,2393.7) 1018.7,2573.7 1086.3,2641.3 v1(1086.3,2738.7)
Y1: R18.1 U7.10 U8.5 | length 1148
  Top Layer w10: R18.1@720.37,2058 720.37,2151.37 762.7,2193.7 U8.5@950.39,2193.7 v1(1046.3,2193.7) ; v1(1075,1563) 1142.61,1563 U7.10@1143.31,1563.7
  Bottom Layer w10: v1(1046.3,2193.7) 1046.3,1654.7 1075,1626 v1(1075,1563)
Y2: P12.1 R17.1 U8.2 | length 2429.8
  Top Layer w10: P12.1@260,1100 343,1100 393,1050 750,1050 823,977 v1(993,977) ; R17.1@721.22,2338.7 726.22,2343.7 U8.2@950.39,2343.7
  Bottom Layer w10: v1(878,2344) 965,2257 965,1476 993,1448 v1(993,977)
Y3: R16.1 U7.11 U8.4 | length 1040.9
  Top Layer w10: R16.1@721.22,2243.7 U8.4@950.39,2243.7 v1(1019.7,2243.7) ; v1(1039.3,1613.7) U7.11@1143.31,1613.7
  Bottom Layer w10: v1(1019.7,2243.7) 1019.3,2243.3 1019.3,1633.7 v1(1039.3,1613.7)
pads on no net: BT1. J1.1 J1.4 J1.6 J1.7 J1.8 J1.10 J1.11 P2.0 P2.3 P2.16 P2.18 P4.3 P4.5 U1.7 U11.5 U11.6 U11.7

## Polygon pours and split planes (outlines as drawn)
AGND on Bottom Layer "Top Layer-No Net" (solid, remove dead copper, pour order 4): 0,4330.71 4330.71,4330.71 4330.71,0 0,0
AGND on Top Layer "Top Layer-No Net" (solid, remove dead copper, pour order 6): 0,4330.71 4330.71,4330.71 4330.71,0 0,0

## Keep-outs
Keep-Out Layer:
  circle w10: c3063.7,4173.7 r65.61
  circle w10: c4063.7,4173.7 r63.85
  lines w10: 157.48,25 4173.23,25 4173.23,4313.7 157.48,4313.7 157.48,25 ; 291.59,1365.59 ccw(c401.1,1372.61) 510.59,1365.41 510.59,1447.95 ccw(c400.95,1433.4) 291.59,1449.95 291.59,1365.59 ; 291.59,3919.59 ccw(c401.1,3926.61) 510.59,3919.41 510.59,4001.95 ccw(c400.95,3987.4) 291.59,4003.95 291.59,3919.59 ; 3755.59,3920.59 ccw(c3865.1,3927.61) 3974.59,3920.41 3974.59,4002.95 ccw(c3864.95,3988.4) 3755.59,4004.95 3755.59,3920.59 ; 3757.59,1362.59 ccw(c3867.1,1369.61) 3976.59,1362.41 3976.59,1444.95 ccw(c3866.95,1430.4) 3757.59,1446.95 3757.59,1362.59

## Silkscreen, mask and mechanical layers (free items; w line width, h text height)
Top Overlay:
  text "通信1" at 71,3789 h80 r270
  text "扩展座" at 4254,3437 h80 r90
  text "通信2" at 71,3113 h80 r270
  text "管理键" at 73,2386 h80 r270
  text "键盘" at 4254,2230 h80 r90
  text "遥控器" at 80,2049 h80 r270
  text "硕宝" at 4193,1510 h140 r270
  text "刷卡" at 454,1200 h80 r270
  text "指纹" at 76,1198 h80 r270
  text "www.yaketu.com" at 4207,1152 h140 r270
  text "按键1" at 2887,401 h80
  text "取值检测" at 2203,398 h80
  text "按键2" at 3555,391 h80
  text "打印机电源" at 1525,387 h80
  text "投币器" at 2905,299 h80
  text "纸币识别" at 2198,291 h80
  text "按键3" at 3552,278 h80
  text "打印机信号" at 1541,239 h80
Mechanical 1:
  the board outline again, w6

## Text inside footprints (layer, text, board x,y; h text height)
C6: Top Overlay "+" at 918.11,3406.69 h40 r180
J1: Top Overlay "1" at 565,595 h40 r180; Top Overlay "5" at 1015,595 h40 r180; Top Overlay "9" at 965,275 h40 r180; Top Overlay "6" at 635,275 h40 r180
P2: Bottom Overlay "20" at 3433.19,1412.64 h40; Bottom Overlay "1" at 1504.06,1412.64 h40; Bottom Overlay "LCD12864" at 2862.32,2587.83 h40
P4: Top Overlay "1" at 1740,3110 h40 r180; Top Overlay "2" at 1760,3010 h40 r180; Top Overlay "5" at 1400,3110 h40 r180; Top Overlay "6" at 1400,3010 h40 r180
P17: Top Overlay "2" at 4043.7,3028.7 h40 r90; Top Overlay "1" at 4143.7,3028.7 h40 r90; Top Overlay "1" at 4143.7,3708.7 h40 r90; Top Overlay "1" at 4143.7,3748.7 h40 r90; Top Overlay "12" at 4043.7,3708.7 h40 r90